# Altium PCB TimeKeeper.PcbDoc (part 1 of 2) (continued)
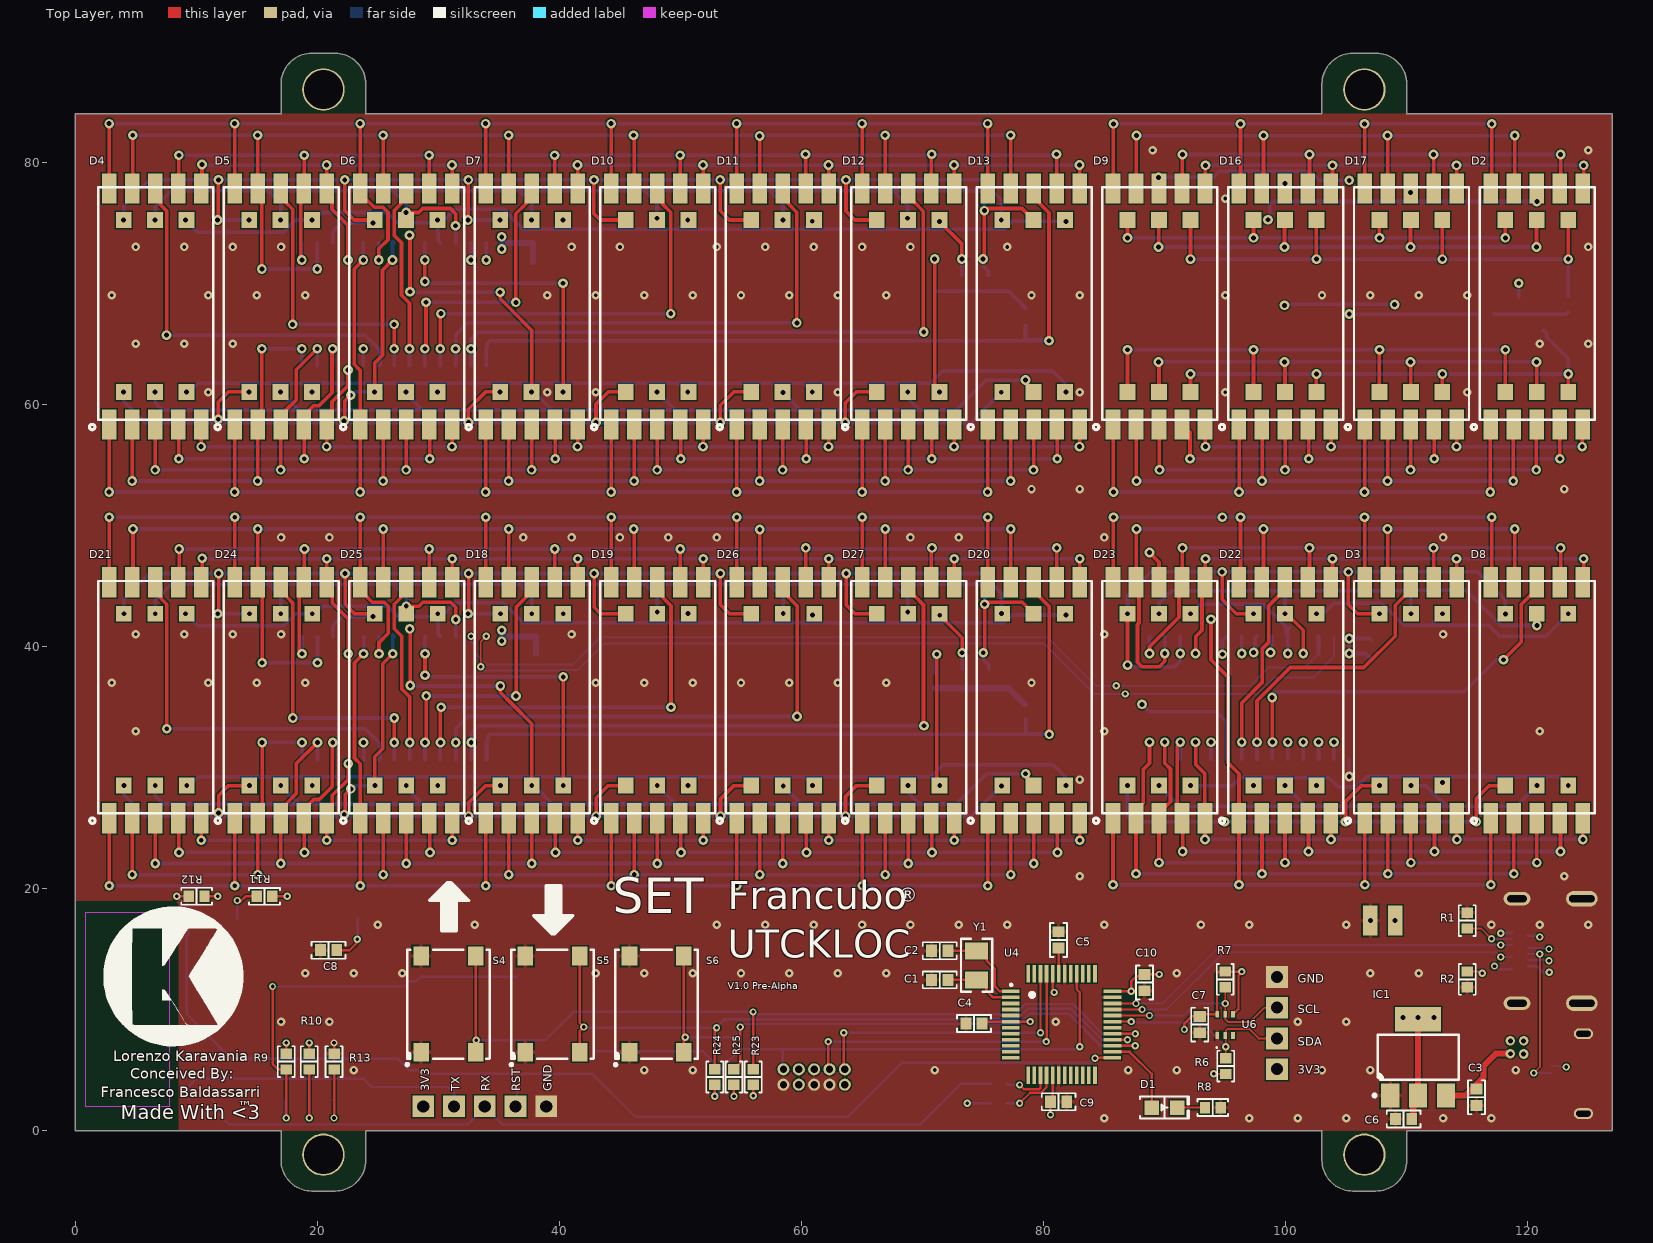
[diagram p0: Top Layer view]
## Footprints (in the part's own frame and the unit in brackets; to place one, negate y for a bottom-side part, rotate by r counter-clockwise, add the part's x,y. Pads: shape width x height; smd on the part's side, far side on the other; paste and mask are expansions set on the pad)
"14 Seg Display" [mm]
  rect 1.2x2.5 smd: 1(-3.8,-9.8) 2(-1.9,-9.8) 3(0,-9.8) 4(1.9,-9.8) 5(3.8,-9.8) 12(3.8,9.7) 13(1.9,9.7) 14(0,9.7) 15(-1.9,9.7) 16(-3.8,9.7)
  rect 1.3x1.3 smd: 6(2.6,-7.1) 7(0,-7.1) 8(-2.6,-7.1) 9(-2.6,7.1) 10(0,7.1) 11(2.6,7.1)
  silkscreen extent -5.42,-10.22 4.8,9.8, body extent -4.65,-9.5 4.65,9.5, height 3.8
"ABRACON ABS07" [mm] "Crystal, 2-Leads, Body 3.20x1.50mm, IPC Medium Density"
  rect 1.4x1.9 smd: 1(-1.2,0) 2(1.2,0)
  silkscreen extent -2.2,-1.3 2.2,1.3, body extent -1.62,-0.77 1.63,0.78, height 0.9
"CAP 0603_1608" [mm] "Chip Capacitor, 2-Leads, Body 1.60x0.80mm, IPC Medium Density"
  rect 0.9x1 smd: 1(-0.675,0) 2(0.675,0)
  silkscreen extent -1.4,-0.7 1.4,0.7, body extent -0.8,-0.41 0.8,0.41, height 0.82
"FCI USB 10118193-0001LF" [mm] "USB 2.0 Type B Micro"
  oval 0.4x1.35 smd: 1(1.3,-2.625) 2(0.65,-2.625) 3(0,-2.625) 4(-0.65,-2.625) 5(-1.3,-2.625)
  oval 0.9x1.6 hole 0.5 slot 1.2 at 90 deg: S(-3.3,0.05) S(3.3,0.05)
  rrect50% 1.6x1.4 smd: S(-3.2,-2.4) S(3.2,-2.4)
  rect 1.9x1.8 smd: S(-1.2,0.05) S(1.2,0.05)
  silkscreen extent -3.7,-2.8 3.7,2.8, body extent -3.93,-2.9 3.93,2.76, height 2.78
"Header 1x4 male" [mm] "2.54mm"
  rect 1.8x1.8 hole 1: 1(-5.08,0) 2(-2.54,0) 3(0,0) 4(2.54,0)
  body extent -6.35,-1.27 3.81,1.27, height 8.6
"Header 1x5 male" [mm] "2.54mm"
  rect 1.8x1.8 hole 1: 1(-5.08,0) 2(-2.54,0) 3(0,0) 4(2.54,0) 5(5.08,0)
  body extent -6.35,-1.27 6.35,1.27, height 8.6
"LED 0805_2012 GREEN" [mm] "Chip Diode, 2-Leads, Body 2.00x1.25mm, IPC Medium Density"
  rect 1.2x1.2 smd: 1(-1.05,0) 2(1.05,0)
  silkscreen extent -2.03,-0.9 2.03,0.9, body extent -1,-0.62 1,0.63, height 0.9
MOLEX_105450-0101 [mm]
  rect 0.3x0.7 smd: A1(-3,3.77) A2(-2.5,3.77) A3(-2,3.77) A4(-1.5,3.77) A5(-1,3.77) A6(-0.5,3.77) A7(0.5,3.77) A8(1,3.77) A9(1.5,3.77) A10(2,3.77) A11(2.5,3.77) A12(3,3.77) B2(2.25,2.47) B3(1.75,2.47) B4(1.25,2.47) B5(0.75,2.47) B6(0.25,2.47) B7(-0.25,2.47) B8(-0.75,2.47) B9(-1.25,2.47) B10(-1.75,2.47) B11(-2.25,2.47)
  rect 1x0.7 smd: B1(3.1,2.47) B12(-3.1,2.47)
  oval 1.1x2.2 hole 0.6 slot 1.6 at 90 deg: S1(-4.32,3.36) S2(4.32,3.36)
  oval 1.3x2.6 hole 0.6 slot 2.1 at 90 deg: S3(-4.32,-2) S4(4.32,-2)
  silkscreen extent -4.47,-3.77 4.47,1.9, body extent -4.47,-3.9 4.47,4, height 3.2
"OMRON B3S-1000P" [mm] "B3S-1000P, 4 Pins, 6.6x6.6x4.3mm, 4.5mm Pitch"
  rect 1.55x1.3 smd: 1(-3.984,2.207) 2(3.966,2.207) 3(-3.984,-2.293) 4(3.966,-2.293)
  silkscreen extent -5.1,-3.45 4.49,3.46, body extent -4.51,-3.34 4.49,3.26, height 4.3
QFP50P900X900X120-48N [mm]
  rect 1.45x0.3 smd: 1(-4.2,2.75) 2(-4.2,2.25) 3(-4.2,1.75) 4(-4.2,1.25) 5(-4.2,0.75) 6(-4.2,0.25) 7(-4.2,-0.25) 8(-4.2,-0.75) 9(-4.2,-1.25) 10(-4.2,-1.75) 11(-4.2,-2.25) 12(-4.2,-2.75) 25(4.17,-2.75) 26(4.2,-2.25) 27(4.2,-1.75) 28(4.2,-1.25) 29(4.2,-0.75) 30(4.2,-0.25) 31(4.2,0.25) 32(4.2,0.75) 33(4.2,1.25) 34(4.2,1.75) 35(4.2,2.25) 36(4.2,2.75)
  rect 0.3x1.45 smd: 13(-2.75,-4.2) 14(-2.25,-4.2) 15(-1.75,-4.2) 16(-1.25,-4.2) 17(-0.75,-4.2) 18(-0.25,-4.2) 19(0.25,-4.2) 20(0.75,-4.2) 21(1.25,-4.2) 22(1.75,-4.2) 23(2.25,-4.2) 24(2.75,-4.2) 37(2.75,4.2) 38(2.25,4.2) 39(1.75,4.2) 40(1.25,4.2) 41(0.75,4.2) 42(0.25,4.2) 43(-0.25,4.2) 44(-0.75,4.2) 45(-1.25,4.2) 46(-1.75,4.2) 47(-2.25,4.2) 48(-2.75,4.2)
  silkscreen extent -4.27,2.33 -2.32,3.38, body extent -4.5,-4.5 4.5,4.5, height 1.5
"RES 0603_1608" [mm] "Chip Resistor, 2-Leads, Body 1.60x0.80mm, IPC Medium Density"
  rect 0.85x0.95 smd: 1(-0.65,0) 2(0.65,0)
  silkscreen extent -1.27,-0.7 1.27,0.7, body extent -0.8,-0.4 0.8,0.4, height 0.45
SOD-523 [mm] "Molded Diode, 2-Leads, Body 1.60x0.80mm, IPC Medium Density"
  rect 0.6x0.7 smd: 1(-0.71,0) 2(0.71,0)
  silkscreen extent -1.27,-0.6 1.47,0.6, body extent -0.8,-0.4 0.8,0.4, height 0.82
SOP28_300MIL_SKINNY [mil]
  rect 25x70 smd: P$1(-325,-200) P$2(-275,-200) P$3(-225,-200) P$4(-175,-200) P$5(-125,-200) P$6(-75,-200) P$7(-25,-200) P$8(25,-200) P$9(75,-200) P$10(125,-200) P$11(175,-200) P$12(225,-200) P$13(275,-200) P$14(325,-200) P$15(325,200) P$16(275,200) P$17(225,200) P$18(175,200) P$19(125,200) P$20(75,200) P$21(25,200) P$22(-25,200) P$23(-75,200) P$24(-125,200) P$25(-175,200) P$26(-225,200) P$27(-275,200) P$28(-325,200)
  body extent -349,-201 349,201, height 110
"ST SOT-223" [mm] "SOT223, 4-Leads, Body 6.50x7.00mm (avg), Pitch 2.30mm, IPC Medium Density"
  rect 2x1.5 smd: 1(-3.15,2.3) 2(-3.15,0) 3(-3.15,-2.3)
  rect 2x3.8 smd: 4(3.15,0)
  silkscreen extent -3.27,-3.35 1.85,3.72, body extent -3.52,-3.25 3.5,3.25, height 1.8
VISHAY_VEML6030_2X2X0.87 [mm]
  rect 0.55x0.3 smd: 1(-0.875,0.65) 2(-0.875,0) 3(-0.875,-0.65) 4(0.875,-0.65) 5(0.875,0) 6(0.875,0.65)
  silkscreen extent -1.92,0.65 -1.82,0.75, body extent -1,-1 1,1, height 0.83
XCVR_ESP8266-12E/ESP-12E [mm]
  rect 2x1.2 smd: 1(-7.5,7) 2(-7.5,5) 3(-7.5,3) 4(-7.5,1) 5(-7.5,-1) 6(-7.5,-3) 7(-7.5,-5) 8(-7.5,-7) 15(7.5,-7) 16(7.5,-5) 17(7.5,-3) 18(7.5,-1) 19(7.5,1) 20(7.5,3) 21(7.5,5) 22(7.5,7)
  rect 1.1x1.7 smd: 9(-5,-8.5) 10(-3,-8.5) 11(-1,-8.5) 12(1,-8.5) 13(3,-8.5) 14(5,-8.5)
  Keep-Out Layer region: 8,8.51 -8.009,8.51 -8.009,15.5 8,15.5
  Keep-Out Layer region: 8,8.51 -8.009,8.51 -8.009,15.5 8,15.5
  silkscreen extent -9.5,-8.5 8,15.5, body extent -7.95,-8.51 8.06,15.49, height 2.65

## Part data
C1 C2: library part C0603X180J5GACTU, "CAP CER 18PF 50V C0G/NP0 0603", Device Package="0603 (1608 Metric)", Manufacturer=KEMET, Operating Temperature="-55°C ~ 125°C", Supplier Part Number 1=399-7390-1-ND, Temperature Coefficient="C0G, NP0", Tolerance=±5%, Voltage - Rated=50V, APPLICATIONS="Boardflex Sensitive", CAPACITANCE=18pF, ComponentLink1Description=Datasheet, ComponentLink1URL=https://api.kemet.com/component-edge/download/specsheet/C0603X180J5GACTU.pdf, ComponentLink2Description="DigiKey Link", ComponentLink2URL=http://digikey.com/product-detail/en/kemet/C0603X180J5GACTU/399-7390-1-ND/3317424, Features="Low ESL, Soft Termination", LastUpdated="21/01/2020 00:02:09", Lifecycle Status=Active, Minimum Order=1, Mounting Type="Surface Mount, MLCC", Package / Case="0603 (1608 Metric)", Packaging=TapeAndReel, PartId=2471, Part Number=C0603X180J5GACTU, Part Status=Active, Price=0.08, Series="SMD Comm C0G Flex", Size / Dimension="0.063\" L x 0.031\" W (1.60mm x 0.80mm)", Supplier 1=DigiKey, Thickness (Max)="0.034\" (0.87mm)"
C3 C4 C5 C6 C7 C8 C10 C11 C12 C13 C14 C15 C16: library part C0603T104K3RAL7867, "CAP CER 0.1UF 25V X7R 0603", Device Package="0603 (1608 Metric)", Manufacturer=KEMET, Operating Temperature="-55°C ~ 125°C", Ratings=COTS, Supplier Part Number 1=399-14540-1-ND, Temperature Coefficient=X7R, Tolerance=±10%, Voltage - Rated=25V, APPLICATIONS="High Reliability, Bypass, Decoupling", CAPACITANCE=0.1µF, ComponentLink1Description=Datasheet, ComponentLink1URL=https://api.kemet.com/component-edge/download/datasheet/C0603T104K3RAL7867.pdf, ComponentLink2Description="DigiKey Link", ComponentLink2URL=http://digikey.com/product-detail/en/kemet/C0603T104K3RAL7867/399-14540-1-ND/7103832, LastUpdated="21/01/2020 00:02:09", Lifecycle Status=Active, Minimum Order=1, Mounting Type="Surface Mount, MLCC", Package / Case="0603 (1608 Metric)", Packaging=TapeAndReel, PartId=2525, Part Number=C0603T104K3RAL7867, Part Status=Active, Price=0.23, Series="SMD COTS X7R", Size / Dimension="0.063\" L x 0.031\" W (1.60mm x 0.80mm)", Supplier 1=DigiKey, Thickness (Max)="0.034\" (0.87mm)"
C9: library part GRM188R60J106ME47D, "CAP CER 10UF 6.3V X5R 0603", Device Package="0603 (1608 Metric)", Manufacturer="Murata Electronics", Operating Temperature="-55°C ~ 85°C", Supplier Part Number 1=490-3896-1-ND, Temperature Coefficient=X5R, Tolerance=±20%, Voltage - Rated=6.3V, APPLICATIONS="General Purpose", CAPACITANCE=10µF, ComponentLink1Description=Datasheet, ComponentLink1URL=https://www.murata.com/~/media/webrenewal/support/library/catalog/products/capacitor/mlcc/c02e.ashx?la=en-us, ComponentLink2Description="DigiKey Link", ComponentLink2URL=http://digikey.com/product-detail/en/murata-electronics/GRM188R60J106ME47D/490-3896-1-ND/965938, LastUpdated="21/01/2020 00:02:09", Lifecycle Status=Active, Minimum Order=1, Mounting Type="Surface Mount, MLCC", Package / Case="0603 (1608 Metric)", Packaging=TapeAndReel, PartId=2351, Part Number=GRM188R60J106ME47D, Part Status=Active, Price=0.08, Series=GRM, Size / Dimension="0.063\" L x 0.031\" W (1.60mm x 0.80mm)", Supplier 1=DigiKey, Thickness (Max)="0.035\" (0.90mm)"
D1: library part SML-LX0805UPGC-TR, "LED GREEN CLEAR SMD", Current - Test=20mA, Device Package="0805 (2012 Metric)", Lens Color=Colorless, Manufacturer="Lumex Opto/Components Inc.", Millicandela Rating=199mcd, Supplier Part Number 1=67-1640-1-ND, Voltage - Forward (Vf) (Typ)=3.5V, Color=Green, ComponentLink1Description=Datasheet, ComponentLink1URL=https://www.lumex.com/content/files/ProductAttachment/SML-LX0805UPGC-TR.pdf, ComponentLink2Description="DigiKey Link", ComponentLink2URL=http://digikey.com/product-detail/en/lumex-opto-components-inc/SML-LX0805UPGC-TR/67-1640-1-ND/408129, Configuration=Standard, LastUpdated="21/01/2020 03:14:04", Lens Size="1.40mm x 1.25mm", Lens Style="Rectangle with Flat Top", Lens Transparency=Clear, Lifecycle Status=Active, Minimum Order=1, Mounting Type="Surface Mount", Package / Case="0805 (2012 Metric)", Packaging=TapeAndReel, PartId=304, Part Number=SML-LX0805UPGC-TR, Part Status=Active, Price=0.69, Series=-, Size / Dimension="2.00mm L x 1.25mm W", Supplier 1=DigiKey, Viewing Angle=140°, Wavelength - Peak=518nm
D2 D3 D4 D5 D6 D7 D8 D9 D10 D11 D12 D13 D16 D17 D18 D19 D20 D21 D22 D23 D24 D25 D26 D27: "14 Segment display red 2 char"
D14 D15 D28: "DIODE GEN PURP 75V 150MA SOD523", Capacitance @ Vr, F="2pF @ 0V, 1MHz", Current - Average Rectified (Io)=150mA, Current - Reverse Leakage @ Vr="1µA @ 75V", Device Package="SC-79, SOD-523", Manufacturer="Micro Commercial Co", Operating Temperature - Junction="-65°C ~ 150°C", Supplier Device Package=SOD-523, Supplier Part Number 1=1N4148XTPMSCT-ND, Voltage - DC Reverse (Vr) (Max)=75V, Voltage - Forward (Vf) (Max) @ If="1.25V @ 150mA", ComponentLink1Description=Datasheet, ComponentLink1URL=https://www.mccsemi.com/pdf/Products/1N4148X(SOD-523).PDF, ComponentLink2Description="DigiKey Link", ComponentLink2URL=http://digikey.com/product-detail/en/micro-commercial-co/1N4148X-TP/1N4148XTPMSCT-ND/789335, Diode Type=Standard, LastUpdated="21/01/2020 03:36:43", Lifecycle Status=Active, Minimum Order=1, Mounting Type="Surface Mount", Package / Case="SC-79, SOD-523", Packaging=TapeAndReel, PartId=2733, Part Number=1N4148X-TP, Part Status=Active, Price=0.02, Reverse Recovery Time (trr)=4ns, Series=-, Speed="Small Signal =< 200mA (Io), Any Speed", Supplier 1=DigiKey
IC1: "IC REG LINEAR 3.3V 800MA SOT223", Current - Output=800mA, Current - Quiescent (Iq)=10mA, Device Package="TO-261-4, TO-261AA", Manufacturer=STMicroelectronics, Operating Temperature="0°C ~ 125°C", Supplier Device Package=SOT-223, Supplier Part Number 1=497-1242-1-ND, Voltage - Input (Max)=15V, Voltage - Output (Min/Fixed)=3.3V, Voltage Dropout (Max)="1.2V @ 800mA", ComponentLink1Description=Datasheet, ComponentLink1URL=http://www.st.com/content/ccc/resource/technical/document/datasheet/99/3b/7d/91/91/51/4b/be/CD00000544.pdf/files/CD00000544.pdf/jcr:content/translations/en.CD00000544.pdf, ComponentLink2Description="DigiKey Link", ComponentLink2URL=http://digikey.com/product-detail/en/stmicroelectronics/LD1117S33TR/497-1242-1-ND/586242, LastUpdated="21/01/2020 03:56:43", Lifecycle Status=Active, Minimum Order=1, Mounting Type="Surface Mount", Number of Regulators=1, Output Configuration=Positive, Output Type=Fixed, Package / Case="TO-261-4, TO-261AA", Packaging=TapeAndReel, Part Number=LD1117S33TR, Part Status=Active, Price=0.14, Protection Features="Over Current, Over Temperature", PSRR="75dB (120Hz)", Series=-, Supplier 1=DigiKey
J1: "CONN RCPT USB2.0 MICRO B SMD R/A", Current Rating (Amps)="1.8A per Contact", Manufacturer="Amphenol ICC (FCI)", Operating Temperature="-30°C ~ 80°C", Supplier Part Number 1=609-4616-2-ND, Voltage - Rated=100VAC, ComponentLink1Description=Datasheet, ComponentLink1URL=https://cdn.amphenol-icc.com/media/wysiwyg/files/documentation/datasheet/inputoutput/io_usb_micro.pdf, ComponentLink2Description="DigiKey Link", ComponentLink2URL=//digikey.com/product-detail/en/amphenol-icc-fci/10118193-0001LF/609-4616-2-ND/2785388, Connector Type="USB - micro B", Features="Solder Retention", Gender=Receptacle, LastUpdated="09/12/2019 20:51:28", Lifecycle Status=0, Mating Cycles=10000, Minimum Order=1, Mounting Feature=Horizontal, Mounting Type="Surface Mount, Right Angle; Through Hole", Number of Contacts=5, Number of Ports=1, Packaging=TapeAndReel, Part Number=10118193-0001LF, Part Status=Active, Price=0.21, Series=-, Shielding=Shielded, Specifications="USB 2.0", Supplier 1=DigiKey, Termination=Solder
J2: "USB-C _USB TYPE-C_ USB 3.1 _USB 3.1 Gen 2, Superspeed+_ Receptacle Connector 24 Position Surface Mount, Right Angle; Through Hole", Package=None, Digi-Key_Part_Number=WM12856CT-ND, Digi-Key_Purchase_URL=https://www.digikey.tw/product-detail/en/molex/1054500101/WM12856CT-ND/5843891?utm_source=snapeda&utm_medium=aggregator&utm_campaign=symbol, MF=Molex, MP=1054500101, SnapEDA_Link=https://www.snapeda.com/parts/1054500101/Molex/view-part/448528/?ref=snap
R1 R2 R6 R7: library part AC0603JR-075K1L, "RES SMD 5.1K OHM 5% 1/10W 0603", Device Package="0603 (1608 Metric)", Manufacturer=Yageo, Operating Temperature="-55°C ~ 155°C", Power (Watts)="0.1W, 1/10W", Ratings=AEC-Q200, Supplier Device Package=0603, Supplier Part Number 1=YAG3682CT-ND, Temperature Coefficient=±100ppm/°C, Tolerance=±5%, ComponentLink1Description=Datasheet, ComponentLink1URL=https://www.yageo.com/upload/media/product/productsearch/datasheet/rchip/PYu-AC_51_RoHS_L_7.pdf, ComponentLink2Description="DigiKey Link", ComponentLink2URL=http://digikey.com/product-detail/en/yageo/AC0603JR-075K1L/YAG3682CT-ND/6006531, Composition="Thick Film", Features="Automotive AEC-Q200, Moisture Resistant", Height - Seated (Max)="0.022\" (0.55mm)", LastUpdated="21/01/2020 00:23:35", Lifecycle Status=Active, Minimum Order=1, Number of Terminations=2, Package / Case="0603 (1608 Metric)", Packaging=CutTape, PartId=8336, Part Number=AC0603JR-075K1L, Part Status=Active, Price=0.10, Resistance="5.1 kOhms", Series=AC, Size / Dimension="0.063\" L x 0.031\" W (1.60mm x 0.80mm)", Supplier 1=DigiKey
R3 R9 R10 R11 R12 R13 R23 R24 R25: library part CPF0603B10KE, "RES SMD 10K OHM 0.1% 1/16W 0603", Device Package="0603 (1608 Metric)", Manufacturer="TE Connectivity Passive Product", Operating Temperature="-55°C ~ 155°C", Power (Watts)="0.063W, 1/16W", Supplier Device Package=0603, Supplier Part Number 1=A119886CT-ND, Temperature Coefficient=±25ppm/°C, Tolerance=±0.1%, ComponentLink1Description=Datasheet, ComponentLink1URL=https://www.te.com/commerce/DocumentDelivery/DDEController?Action=srchrtrv&DocNm=1773200&DocType=DS&DocLang=English, ComponentLink2Description="DigiKey Link", ComponentLink2URL=http://digikey.com/product-detail/en/te-connectivity-passive-product/CPF0603B10KE/A119886CT-ND/4966484, Composition="Thin Film", Height - Seated (Max)="0.022\" (0.55mm)", LastUpdated="21/01/2020 00:24:55", Lifecycle Status=Active, Minimum Order=1, Number of Terminations=2, Package / Case="0603 (1608 Metric)", Packaging=TapeAndReel, PartId=4872, Part Number=CPF0603B10KE, Part Status=Active, Price=0.09, Resistance="10 kOhms", Series="CPF, Neohm", Size / Dimension="0.061\" L x 0.031\" W (1.55mm x 0.80mm)", Supplier 1=DigiKey
R4 R5: library part HCJ0603ZT0R00, "RES 0 OHM JUMPER 1/4W 0603", Device Package="0603 (1608 Metric)", Manufacturer="Stackpole Electronics Inc", Operating Temperature="-55°C ~ 155°C", Power (Watts)="0.25W, 1/4W", Ratings=AEC-Q200, Resistance="0 Ohms", Supplier Device Package=0603, Supplier Part Number 1=HCJ0603ZT0R00CT-ND, Tolerance=Jumper, ComponentLink1Description=Datasheet, ComponentLink1URL=https://www.seielect.com/catalog/sei-hcj.pdf, ComponentLink2Description="DigiKey Link", ComponentLink2URL=http://digikey.com/product-detail/en/stackpole-electronics-inc/HCJ0603ZT0R00/HCJ0603ZT0R00CT-ND/4357665, Composition="Metal Foil", Features="Automotive AEC-Q200", Height - Seated (Max)="0.018\" (0.45mm)", LastUpdated="21/01/2020 00:22:48", Lifecycle Status=Active, Minimum Order=1, Number of Terminations=2, Package / Case="0603 (1608 Metric)", Packaging=TapeAndReel, PartId=10189, Part Number=HCJ0603ZT0R00, Part Status=Active, Price=0.07, Series=HCJ, Size / Dimension="0.061\" L x 0.031\" W (1.55mm x 0.80mm)", Supplier 1=DigiKey
R8: library part CR0603-FX-1001ELF, "RES SMD 1K OHM 1% 1/10W 0603", Device Package="0603 (1608 Metric)", Manufacturer="Bourns Inc.", Operating Temperature="-55°C ~ 155°C", Power (Watts)="0.1W, 1/10W", Supplier Device Package=0603, Supplier Part Number 1=CR0603-FX-1001ELFCT-ND, Temperature Coefficient=±100ppm/°C, Tolerance=±1%, ComponentLink1Description=Datasheet, ComponentLink1URL=https://www.bourns.com/docs/Product-Datasheets/CHPREZTR.pdf, ComponentLink2Description="DigiKey Link", ComponentLink2URL=http://digikey.com/product-detail/en/bourns-inc/CR0603-FX-1001ELF/CR0603-FX-1001ELFCT-ND/3592910, Composition="Thick Film", Features="Moisture Resistant", Height - Seated (Max)="0.022\" (0.55mm)", LastUpdated="21/01/2020 00:19:55", Lifecycle Status=Active, Minimum Order=1, Number of Terminations=2, Package / Case="0603 (1608 Metric)", Packaging=CutTape, PartId=17323, Part Number=CR0603-FX-1001ELF, Part Status=Active, Price=0.10, Resistance="1 kOhms", Series=CR0603, Size / Dimension="0.063\" L x 0.031\" W (1.60mm x 0.80mm)", Supplier 1=DigiKey
R14 R15 R16 R17 R18 R19 R20 R21 R22: library part ERA-3AEB473V, "RES SMD 47K OHM 0.1% 1/10W 0603", Device Package="0603 (1608 Metric)", Manufacturer="Panasonic Electronic Components", Operating Temperature="-55°C ~ 155°C", Power (Watts)="0.1W, 1/10W", Ratings=AEC-Q200, Supplier Device Package=0603, Supplier Part Number 1=P47KDBCT-ND, Temperature Coefficient=±25ppm/°C, Tolerance=±0.1%, ComponentLink1Description=Datasheet, ComponentLink1URL=https://industrial.panasonic.com/cdbs/www-data/pdf/RDM0000/AOA0000C307.pdf, ComponentLink2Description="DigiKey Link", ComponentLink2URL=http://digikey.com/product-detail/en/panasonic-electronic-components/ERA-3AEB473V/P47KDBCT-ND/1466092, Composition="Thin Film", Features="Automotive AEC-Q200", Height - Seated (Max)="0.022\" (0.55mm)", LastUpdated="21/01/2020 00:24:44", Lifecycle Status=Active, Minimum Order=1, Number of Terminations=2, Package / Case="0603 (1608 Metric)", Packaging=TapeAndReel, PartId=5512, Part Number=ERA-3AEB473V, Part Status=Active, Price=0.04, Resistance="47 kOhms", Series=ERA-3A, Size / Dimension="0.063\" L x 0.031\" W (1.60mm x 0.80mm)", Supplier 1=DigiKey
S1 S2 S3 S4 S5 S6: "SWITCH TACTILE SPST-NO 0.05A 24V", Contact Rating @ Voltage="0.05A @ 24VDC", Manufacturer="Omron Electronics Inc-EMC Div", Operating Force=160gf, Operating Temperature="-25°C ~ 70°C", Supplier Part Number 1=SW836CT-ND, Actuator Height off PCB, Vertical=4.30mm, Actuator Orientation="Top Actuated", Actuator Type=Standard, Circuit=SPST-NO, ComponentLink1Description=Datasheet, ComponentLink1URL=https://omronfs.omron.com/en_US/ecb/products/pdf/en-b3s.pdf, ComponentLink2Description="DigiKey Link", ComponentLink2URL=http://digikey.com/product-detail/en/omron-electronics-inc-emc-div/B3S-1000P/SW836CT-ND/700012, Features="Sealed - Fully", Illumination=Non-Illuminated, Ingress Protection="IP67 - Dust Tight, Waterproof", LastUpdated="31/01/2020 01:36:13", Lifecycle Status=Active, Minimum Order=1, Mounting Type="Surface Mount", Outline="6.60mm x 6.00mm", Packaging=TapeAndReel, Part Number=B3S-1000P, Part Status=Active, Price=0.39, Series=B3S, Supplier 1=DigiKey, Switch Function=Off-Mom, Termination Style="Gull Wing"
U4: "ARMÂ® CortexÂ®-M0+ Automotive, AEC-Q100, SAM D21G Microcontroller IC 32-Bit 48MHz 256KB _256K x 8_ FLASH 48-TQFP _7x7_", Package="TQFP-48 Microchip", Availability=Unavailable, MF=Microchip, MP=ATSAMD21G18A-AF, Price=None, SnapEDA_Link=https://www.snapeda.com/parts/ATSAMD21G18A-AF/Microchip/view-part/1216117/?ref=snap
U5: "This WiFi module has a 32-bit MCU micro and clock speeds supporting 80 MHz or 160 MHz. Supports the RTOS and integrated Wi-Fi MAC/BB/RF/PA/LNA, and has an on-board antenna.", Package=None, Availability=Unavailable, MF=AI-Thinker, MP=ESP8266-12E/ESP-12E, Price=None, SnapEDA_Link=https://www.snapeda.com/parts/ESP8266-12E/ESP-12E/AI-Thinker/view-part/106414/?ref=snap
U6: "Optical Sensor Ambient 550nm IÂ²C 6-SMD, No Lead", Package="SMD-6 Vishay", Availability=Unavailable, MF=Vishay, MP=VEML6030, Price=None, SnapEDA_Link=https://www.snapeda.com/parts/VEML6030/Vishay%20Semiconductor%20Opto%20Division/view-part/493148/?ref=snap
Y1: library part ABS07-32.768KHZ-T, "CRYSTAL 32.7680KHZ 12.5PF SMD", Device Package="2-SMD, No Lead", ESR (Equivalent Series Resistance)="70 kOhms", Frequency Tolerance=±20ppm, Load Capacitance=12.5pF, Manufacturer="Abracon LLC", Operating Mode=Fundamental, Operating Temperature="-40°C ~ 85°C", Supplier Part Number 1=535-9542-1-ND, ComponentLink1Description=Datasheet, ComponentLink1URL=https://abracon.com/Resonators/ABS07.pdf, ComponentLink2Description="DigiKey Link", ComponentLink2URL=http://digikey.com/product-detail/en/abracon-llc/ABS07-32.768KHZ-T/535-9542-1-ND/1237009, Frequency=32.768kHz, Height - Seated (Max)="0.035\" (0.90mm)", LastUpdated="21/01/2020 03:21:15", Lifecycle Status=Active, Minimum Order=1, Mounting Type="Surface Mount", Package / Case="2-SMD, No Lead", Packaging=TapeAndReel, PartId=382, Part Number=ABS07-32.768KHZ-T, Part Status=Active, Price=0.32, Series=ABS07, Size / Dimension="0.126\" L x 0.059\" W (3.20mm x 1.50mm)", Supplier 1=DigiKey, Type="kHz Crystal (Tuning Fork)"
U1 U2 U3: 4.5-5.5V=4.5-5.5V, 16StepDimming="16 Step Dimming", DeviceName=_SKINNY, DeviceSetName=HT16K33_SOP28, GateName_1=G$1, HT16K33LEDDriver="HT16K33 LED Driver", LibraryName=microbuilder, SymbolName_1=HT16K33_28PIN, VDD=VDD:

## Free pads (board coordinates)
  round 1 hole 0.6: 1(63.582,3.786) 2(63.582,5.056) 3(62.312,3.786) 4(62.312,5.056) 5(61.042,3.786) 6(61.042,5.056) 7(59.772,3.786) 8(59.772,5.056) 9(58.502,3.786) 10(58.502,5.056)
  rect 1.2x2.5 smd: 5V(109.045,17.35) GND(107,17.35)
  round 3.5 hole 3.2: ""(20.5,-2) ""(20.5,86) ""(106.5,-2) ""(106.5,86)

## Via types
v1: diameter 0.8, hole 0.4, Top Layer to Bottom Layer, 517 vias
v2: diameter 0.7, hole 0.3, Top Layer to Bottom Layer, tented both sides, 135 vias
v3: diameter 0.6, hole 0.3, Top Layer to Bottom Layer, 65 vias

## Nets (pads, with @x,y where several pads share a name; then routed paths per layer and width w, separated by ;. In a path a pad name is that pad's centre, name@x,y a point inside that pad or via, vN(x,y) a via of type N, cw(c..) or ccw(c..) an arc to the next point about the centre after c; other vN are vias at no path point)
3V3: C4.2 C6.2 C7.2 C8.2 C9.2 C10.2 ESP_PROG.5 I2C.4 IC1.2 IC1.4 pad.1 R3.2 R6.2 R7.2 R9.2 R10.2 R11.2 R12.2 R23.1 R24.1 R25.1 U4.6 U4.17 U4.36 U4.44 U5.8 U6.4 U6.6 | length 48.6
  Top Layer w0.2: R12.2@10.834,19.513 R12.2@10.676,19.356 11.762,19.356 v3(11.768,19.35) ; R11.2@16.282,19.35 17.498,19.35 v3(17.504,19.356) ; R9.2@17.432,6.341 v3(17.432,7.241) ; R10.2@19.332,6.341 v3(19.332,7.241) ; C8.2@21.6,14.9 22.654,14.9 23.223,15.47 23.223,15.723 v3(23.3,15.8) ; v3(52.834,2.839) R24.1@52.834,3.771 ; v3(54.418,2.839) R25.1@54.418,3.771 ; v3(56.01,2.875) R23.1@56.01,3.771 ; C4.2@74.925,8.85 75.075,9 U4.6@77.291,9 v3(78.891,9) ; C9.2@80.216,2.375 80.741,2.9 U4.17@80.741,4.55 ; v3(80.566,1.3) C9.2@80.566,2.375 ; U4.44@80.741,12.95 80.741,11.56 v3(80.89,11.411) ; U4.36@85.691,11.5 v3(87.25,11.5) 87.25,12.349 87.651,12.75 88.183,12.75 C10.2@88.334,12.9 v3(89.553,12.9) ; v3(91.634,8.35) 91.634,8.85 92.209,9.425 C7.2@92.902,9.425 93.077,9.6 U6.6@94.35,9.6 94.323,9.627 94.323,12.969 94.459,13.104 94.972,13.104 R7.2@95,13.133 v3(96.365,13.133) 96.365,13.081 96.1,12.816 96.1,10.05 95.825,9.775 95.7,9.775 95.65,9.725 U6.4@95.65,9.6 ; v3(94.054,4.696) 94.08,4.67 R6.2@95.052,4.67
  Top Layer w0.5: C6.2@110.42,0.95 110.541,1.071 110.541,2.496 IC1.2@110.945,2.9 IC1.4@110.945,9.2
  Bottom Layer w0.2: v3(23.3,15.8) 23.329,15.829 U5.8@23.329,17.5 ; v3(52.834,2.839) 53.158,3.163 53.158,3.62 R3.2@53.309,3.771
  other v1: 109.695,9.325 112.245,9.325 110.945,9.35
5V+: C3.2 C11.2 C12.2 C13.2 C14.2 C15.2 C16.2 IC1.3 J1.1 J2.A4 J2.A9 J2.B4 J2.B9 pad.5V U1.P$28 U2.P$28 U3.P$28 | length 26.7
  Top Layer w0.5: IC1.3@113.245,2.9 114.865,2.9 116.355,4.39 116.355,5.355 117.35,6.35 v1(118.56,6.35)
  Bottom Layer w0.2: v3(117.25,13.585) 117.35,13.585 117.6,13.335 J2.A9@118.7,13.335 ; v3(117.766,16.308) 117.792,16.335 J2.A4@118.7,16.335 ; J2.B4@120,13.585 120.766,13.585 121.266,13.085 v3(121.775,13.085) ; J2.B9@120,16.085 120.887,16.085 v3(120.987,15.985)
  Bottom Layer w0.3: U1.P$28@105.255,40.83 v1(105.255,40.646) ; C11.2@107.07,40.506 106.929,40.646 v1(105.255,40.646) ; C12.2@107.095,38.89 107.095,38.94 106.795,39.24 106.745,39.24 106.571,39.414 v1(105.255,39.414) v1(105.255,40.646)
  Bottom Layer w0.5: U3.P$28@35.23,40.832 C15.2@38.075,40.832 C16.2@38.075,39.394 ; U2.P$28@35.23,73.332 C13.2@37.825,73.332 C14.2@37.825,71.75
  other v1: 119.66,6.33 118.56,7.41 119.66,7.41 109.045,17.35 35.23,40.434 35.23,41.332 35.23,72.832 35.23,73.832
A1: D4.10 D5.10 D6.10 D7.10 D10.10 D11.10 D12.10 D13.10 R19.1 U2.P$25 | length 104.5
  Top Layer w0.3: v1(27.332,75.848) 28.373,75.848 28.697,76.172 30.993,76.172 31.42,75.745 v1(31.42,74.748) ; v1(75,72) 75.108,72.108 v1(75.108,75.999) ; v1@75.417,76.172 78.223,76.172 D13.10@79.173,75.222
  Bottom Layer w0.3: v1(6.595,75.222) 6.595,76.32 7.925,77.65 15.928,77.65 ; v1(16.963,75.222) 16.963,76.615 15.928,77.65 ; v1(27.332,75.848) 27.332,76.576 26.257,77.65 ; U2.P$25@31.42,73.332 v1(31.42,74.748) ; v1(37.7,75.222) 37.7,76.601 36.651,77.65 ; v1(48.057,75.364) 48.057,76.634 47.041,77.65 ; v1(58.471,75.237) 58.471,76.507 57.328,77.65 ; v1(68.758,75.364) 68.758,76.465 67.573,77.65 ; v1(75,72) 75,71.425 75.45,70.975 75.45,70.65 R19.1@75.5,70.65 ; v1(75.108,75.999) 75.108,77.269 74.727,77.65 67.573,77.65 ; 15.928,77.65 26.257,77.65 ; 26.257,77.65 36.651,77.65 ; 36.651,77.65 47.041,77.65 ; 47.041,77.65 57.328,77.65 ; 57.328,77.65 67.573,77.65
A3: D18.10 D19.10 D20.10 D21.10 D24.10 D25.10 D26.10 D27.10 R22.1 U3.P$25 | length 104.5
  Top Layer w0.3: v1(27.35,43.326) 28.391,43.326 28.715,43.65 31.011,43.65 31.438,43.223 v1(31.438,42.226) ; v1(75.018,39.478) 75.126,39.586 v1(75.126,43.477) ; v1@75.435,43.65 78.241,43.65 D20.10@79.191,42.7
  Bottom Layer w0.3: v1(6.613,42.7) 6.613,43.798 7.943,45.128 15.947,45.128 ; v1(16.982,42.7) 16.982,44.093 15.947,45.128 ; v1(27.35,43.326) 27.35,44.053 26.276,45.128 ; U3.P$25@31.438,40.81 v1(31.438,42.226) ; v1(37.718,42.7) 37.718,44.079 36.669,45.128 ; v1(48.075,42.842) 48.075,44.112 47.059,45.128 ; v1(58.489,42.715) 58.489,43.985 57.346,45.128 ; v1(68.776,42.842) 68.776,43.943 67.591,45.128 ; v1(75.018,39.478) 75.018,38.903 75.468,38.453 75.468,38.128 R22.1@75.518,38.128 ; v1(75.126,43.477) 75.126,44.747 74.745,45.128 67.591,45.128 ; 15.947,45.128 26.276,45.128 ; 26.276,45.128 36.669,45.128 ; 36.669,45.128 47.059,45.128 ; 47.059,45.128 57.346,45.128 ; 57.346,45.128 67.591,45.128
A5: D2.10 D3.10 D8.10 D9.10 D16.10 D17.10 D22.10 D23.10 R18.1 U1.P$25 | length 120
  Top Layer w0.3: v1(89.5,73) 89.5,75.189 D9.10@89.534,75.222 ; v1(99.905,73) D16.10@99.905,75.189 ; v1(99.939,42.7) 100.439,42.2 100.586,42.2 101.445,41.341 v1(101.445,39.414) ; v1(110.311,73) D17.10@110.311,75.189 ; v1(120.716,73) D2.10@120.716,75.189 ; v1(120.75,41.719) D8.10@120.75,42.7
  Layer 2 w0.3: v1(89.5,73) 90.5,72 90.5,53.705 89.534,52.739 v1(89.534,42.7) ; v1(119.25,70) 119.25,71.534 v1(120.716,73)
  Bottom Layer w0.3: v1(89.5,73) v1(99.905,73) v1(110.311,73) v1(120.716,73) v1@120.816,73.1 ; v1(89.534,42.7) 89.534,43.563 90.575,44.604 99.893,44.604 ; v1(99.939,42.7) 99.939,44.558 99.893,44.604 ; v1(101.445,39.414) 101.445,39.771 U1.P$25@101.445,40.83 ; v1(110.345,42.7) 110.345,44.462 110.172,44.635 ; R18.1@119.25,68.9 v1(119.25,70) ; v1(120.75,41.719) 117.781,41.719 114.865,44.635 110.172,44.635 ; 99.893,44.604 109.891,44.604 109.922,44.635 110.172,44.635
B1: D4.11 D5.11 D6.11 D7.11 D10.11 D11.11 D12.11 D13.11 R17.1 U2.P$24 | length 86.5
  Top Layer w0.3: v1(71.405,75.09) 73.25,73.245 v1(73.25,72)
  Bottom Layer w0.3: v1(9.095,75.222) 10.096,74.221 17.196,74.221 18.197,75.222 v1(19.563,75.222) 19.699,75.222 20.325,75.848 25.786,75.848 26.652,74.983 29.692,74.983 v1(29.932,75.222) ; U2.P$24@30.15,73.332 29.983,73.499 29.983,74.196 29.932,74.247 v1(29.932,75.222) ; v1(40.3,75.222) 39.553,74.475 ; 49.962,74.602 v1(50.597,75.237) ; v1(60.884,75.119) 60.24,74.475 ; v1(71.405,75.09) 70.79,74.475 ; R17.1@73.25,70.65 v1(73.25,72) ; v1(81.839,75.11) 77.368,75.11 76.733,74.475 70.79,74.475 ; v1(29.932,75.222) 29.96,75.251 30.505,75.251 31.38,76.126 35.342,76.126 36.993,74.475 39.553,74.475 ; 39.553,74.475 60.24,74.475 ; 60.24,74.475 70.79,74.475
B3: D18.11 D19.11 D20.11 D21.11 D24.11 D25.11 D26.11 D27.11 R21.1 U3.P$24 | length 86.5
  Top Layer w0.3: v1(71.423,42.567) 73.268,40.722 v1(73.268,39.478)
  Bottom Layer w0.3: v1(9.113,42.7) 10.115,41.699 17.214,41.699 18.216,42.7 v1(19.582,42.7) 19.717,42.7 20.343,43.326 25.805,43.326 26.67,42.461 29.711,42.461 v1(29.95,42.7) ; U3.P$24@30.168,40.81 30.001,40.977 30.001,41.673 29.95,41.724 v1(29.95,42.7) ; v1(40.318,42.7) 39.571,41.953 ; 49.98,42.08 v1(50.615,42.715) ; v1(60.902,42.597) 60.258,41.953 ; v1(71.423,42.567) 70.808,41.953 ; R21.1@73.268,38.128 v1(73.268,39.478) ; v1(81.857,42.588) 77.386,42.588 76.751,41.953 70.808,41.953 ; v1(29.95,42.7) 29.979,42.729 30.523,42.729 31.398,43.604 35.361,43.604 37.012,41.953 39.571,41.953 ; 39.571,41.953 60.258,41.953 ; 60.258,41.953 70.808,41.953
B5: D2.11 D3.11 D8.11 D9.11 D16.11 D17.11 D22.11 D23.11 R16.1 U1.P$24 | length 119.1
  Top Layer w0.3: v1@92.017,71.75 v1@92.134,71.866 ; v1@92.134,71.75 v1@92.134,71.866 ; D9.11@92.134,75.222 v1(92.134,71.993) v1@92.134,71.866 ; v1(102.539,71.993) D16.11@102.539,75.222 ; v1(112.945,71.993) D17.11@112.945,75.222 ; v1@123.234,71.75 v1@123.35,71.866 ; v1@123.35,71.75 v1@123.35,71.866 ; D2.11@123.35,75.222 v1(123.35,71.993) v1@123.35,71.866
  Layer 2 w0.3: v1(92.134,42.7) 92.494,43.06 92.494,54.905 92.799,55.21 92.799,56.079 92.668,56.21 92.668,58.9 93.25,59.482 93.25,65 92.134,66.116 v1(92.134,71.993) ; v1(100.175,39.414) 100.175,40.336 v1(102.539,42.7)
  Bottom Layer w0.3: v1(92.134,42.7) 92.91,43.477 98.173,43.477 100.008,41.642 100.008,40.997 U1.P$24@100.175,40.83 ; v1(92.134,71.993) v1(102.539,71.993) v1(112.945,71.993) v1(123.35,71.993) R16.1@123.35,68.9 ; v1(100.175,39.414) U1.P$24@100.175,40.83 ; U1.P$24@100.343,41.569 100.175,41.401 U1.P$24@100.175,40.83 ; v1(102.539,42.7) 102.564,42.725 103.116,42.725 103.955,43.563 107.937,43.563 109.75,41.75 111.995,41.75 ; v1(112.945,42.7) 111.995,41.75 ; v1(123.35,42.7) 121.48,40.83 117.713,40.83 116.793,41.75 111.995,41.75
C1: D4.6 D5.6 D6.6 D7.6 D10.6 D11.6 D12.6 D13.6 R15.1 U2.P$23 | length 116.8
  Top Layer w0.3: v1(28.88,70.142) v1(28.88,71.916) ; v1(40.3,61.022) v1(40.3,70) ; v1(71,72) 71,61.427 v1(71.405,61.022)
  Bottom Layer w0.3: v1(9.195,61.022) 9.33,61.022 9.52,61.212 9.607,61.212 10.145,61.75 18.836,61.75 ; v1(19.563,61.022) 18.836,61.75 ; v1(28.88,70.142) 29.022,70 v1(40.3,70) ; v1(28.88,71.916) U2.P$23@28.88,73.332 ; v1(29.932,61.022) 29.204,61.75 ; v1(40.3,61.022) 39.572,61.75 ; v1(50.597,61.022) 49.869,61.75 ; v1(60.884,61.022) 60.156,61.75 ; R15.1@71,70.65 v1(71,72) ; v1(71.405,61.022) 70.677,61.75 ; v1(81.839,61.022) 81.839,61.661 80.75,62.75 71.677,62.75 70.677,61.75 ; 18.836,61.75 29.204,61.75 ; 29.204,61.75 39.572,61.75 ; 39.572,61.75 49.869,61.75 ; 49.869,61.75 60.156,61.75 ; 60.156,61.75 70.677,61.75
C3: D18.6 D19.6 D20.6 D21.6 D24.6 D25.6 D26.6 D27.6 R20.1 U3.P$23 | length 116.5
  Top Layer w0.3: v1(28.898,37.62) v1(28.898,39.394) ; v1(40.318,28.5) v1(40.318,37.478) ; v1(71.176,39.346) 71.176,28.748 v1(71.423,28.5)
  Bottom Layer w0.3: v1(9.213,28.5) 9.349,28.5 9.538,28.69 9.626,28.69 10.163,29.228 18.854,29.228 ; v1(19.582,28.5) 18.854,29.228 ; v1(28.898,37.62) 29.041,37.478 v1(40.318,37.478) ; v1(28.898,39.394) U3.P$23@28.898,40.81 ; v1(29.95,28.5) 29.222,29.228 ; v1(40.318,28.5) 39.591,29.228 ; v1(50.615,28.5) 49.888,29.228 ; v1(60.902,28.5) 60.175,29.228 ; R20.1@71.018,37.842 v1@71.018,39.074 ; v1(71.423,28.5) 70.696,29.228 ; v1(81.857,28.5) 81.857,29.139 80.768,30.228 71.696,30.228 70.696,29.228 ; 18.854,29.228 29.222,29.228 ; 29.222,29.228 39.591,29.228 ; 39.591,29.228 49.888,29.228 ; 49.888,29.228 60.175,29.228 ; 60.175,29.228 70.696,29.228
C5: D2.6 D3.6 D8.6 D9.6 D16.6 D17.6 D22.6 D23.6 R14.1 U1.P$23 | length 167.7
  Top Layer w0.3: D9.6@92.134,61.022 v1(92.134,62.5) ; D16.6@102.539,61.022 v1(102.539,62.5) ; D17.6@112.945,61.022 v1(112.945,62.5) ; D2.6@123.35,61.022 v1(123.35,62.5)
  Layer 1 w0.3: v1(98.75,39.5) 98.819,39.5 100.069,38.25 107.33,38.25 112.945,32.635 v1(112.945,28.758)
  Layer 2 w0.3: v1(112.945,28.758) 115,30.813 115,53.758 112.945,55.814 v1(112.945,62.5) ; v1(123.35,28.5) 124.05,29.2 124.05,43.959 123.418,44.59 123.418,48.426 123.75,48.758 123.75,62.1 v1(123.35,62.5)
  Bottom Layer w0.3: v1(92.134,28.5) 95.612,28.5 96.312,29.2 100.229,29.2 100.279,29.15 101.889,29.15 ; v1(92.134,62.5) v1(102.539,62.5) v1(112.945,62.5) v1(123.35,62.5) 123.35,63.754 121.575,65.529 121.575,65.853 121.3,66.128 R14.1@121.25,66.128 ; v1(98.75,39.5) 98.827,39.577 98.827,40.752 U1.P$23@98.905,40.83 ; v1(102.539,28.5) 101.889,29.15 ; v1(123.35,28.5) 122.596,29.254 106.746,29.254 105.872,28.38 104.332,28.38 103.562,29.15 101.889,29.15
COM0: D4.14 U2.P$9 | length 32
  Top Layer w0.3: D4.14@6.595,77.822 7.045,77.372 7.045,76.497 7.545,75.997 7.545,74.448 7.544,74.447 v1(7.544,65.712)
  Bottom Layer w0.3: v1(7.544,65.712) 23.946,65.712 25.176,64.482 25.176,63.278 U2.P$9@25.07,63.172
COM1: D5.14 U2.P$8 | length 23.4
  Top Layer w0.3: D5.14@16.963,77.822 17.413,77.372 17.413,76.652 17.958,76.107 v1(17.958,66.601) ; v1(26.34,64.588) v1(26.34,66.601)
  Bottom Layer w0.3: v1(17.958,66.601) v1(26.34,66.601) ; U2.P$8@26.34,63.172 v1(26.34,64.588)
COM2: D10.14 U2.P$5 | length 34.2
  Top Layer w0.3: v1(30.15,64.588) 30.15,67.433 v1(30.207,67.49) ; D10.14@48.068,77.822 48.518,77.372 48.518,76.554 49.2,75.872 v1(49.2,67.49)
  Bottom Layer w0.3: U2.P$5@30.15,63.172 v1(30.15,64.588) v1@30.207,64.645 ; v1(30.207,67.49) v1(49.2,67.49)
COM3: D11.14 U2.P$4 | length 42.7
  Top Layer w0.3: D11.14@58.437,77.822 58.887,77.372 58.887,76.599 59.614,75.872 v1(59.614,66.728)
  Bottom Layer w0.3: U2.P$4@31.42,63.172 v1(31.42,64.588) 31.42,65.712 32.436,66.728 v1(59.614,66.728)
COM4: D6.14 U2.P$7 | length 15.6
  Top Layer w0.3: D6.14@27.332,77.822 26.882,77.372 26.882,76.541 26.34,75.999 26.34,73.967 26.952,73.355 26.952,69.002 27.61,68.344 v1(27.61,64.588)
  Bottom Layer w0.3: U2.P$7@27.61,63.172 v1(27.61,64.588)
COM5: D7.14 U2.P$6 | length 22.7
  Top Layer w0.3: v1(28.88,64.588) 28.972,64.68 v1(28.972,68.43) ; v1(36.4,68.417) 36.4,75.745 37.25,76.595 37.25,77.372 D7.14@37.7,77.822
  Bottom Layer w0.3: U2.P$6@28.88,63.172 v1(28.88,64.588) ; v1(28.972,68.43) 28.985,68.417 v1(36.4,68.417)
COM6: D12.14 U2.P$3 | length 52.6
  Top Layer w0.3: D12.14@68.805,77.822 68.805,77.172 69.255,76.722 69.286,76.722 70.059,75.949 70.059,66.046 70.039,66.026 70.039,65.778 v1(70.105,65.966)
  Bottom Layer w0.3: U2.P$3@32.69,63.172 v1(32.69,64.588) 32.69,65.35 33.306,65.966 v1(70.105,65.966)
COM7: D13.14 D15.1 U2.P$2 | length 64.6
  Top Layer w0.3: D13.14@79.173,77.822 79.623,77.372 79.623,76.641 80.442,75.822 v1(80.442,65.25)
  Bottom Layer w0.3: U2.P$2@33.96,63.172 33.96,64.588 34.048,64.676 34.048,65.074 34.224,65.25 v1(80.442,65.25) 80.386,65.306 78.676,65.306 78.5,65.482 D15.1@78.5,66.54
COM8: D18.14 U3.P$6 | length 22.7
  Top Layer w0.3: v1(28.898,32.066) 28.99,32.157 v1(28.99,35.908) ; v1(36.418,35.895) 36.418,43.223 37.268,44.073 37.268,44.85 D18.14@37.718,45.3
  Bottom Layer w0.3: U3.P$6@28.898,30.65 v1(28.898,32.066) ; v1(28.99,35.908) 29.003,35.895 v1(36.418,35.895)
COM9: D19.14 U3.P$5 | length 34.2
  Top Layer w0.3: v1(30.168,32.066) 30.168,34.911 v1(30.225,34.968) ; D19.14@48.087,45.3 48.537,44.85 48.537,44.031 49.218,43.35 v1(49.218,34.968)
  Bottom Layer w0.3: U3.P$5@30.168,30.65 v1(30.168,32.066) v1@30.225,32.122 ; v1(30.225,34.968) v1(49.218,34.968)
COM10: D24.14 U3.P$8 | length 23.4
  Top Layer w0.3: D24.14@16.982,45.3 17.432,44.85 17.432,44.13 17.976,43.585 v1(17.976,34.079) ; v1(26.358,32.066) v1(26.358,34.079)
  Bottom Layer w0.3: v1(17.976,34.079) v1(26.358,34.079) ; U3.P$8@26.358,30.65 v1(26.358,32.066)
COM11: D25.14 U3.P$7 | length 15.6
  Top Layer w0.3: D25.14@27.35,45.3 26.9,44.85 26.9,44.018 26.358,43.477 26.358,41.445 26.97,40.832 26.97,36.48 27.628,35.822 v1(27.628,32.066)
  Bottom Layer w0.3: U3.P$7@27.628,30.65 v1(27.628,32.066)
COM12: D20.14 D28.1 U3.P$2 | length 64.6
  Top Layer w0.3: D20.14@79.191,45.3 79.641,44.85 79.641,44.119 80.46,43.3 v1(80.46,32.728)
  Bottom Layer w0.3: U3.P$2@33.978,30.65 33.978,32.066 34.067,32.154 34.067,32.552 34.242,32.728 v1(80.46,32.728) 80.404,32.784 78.694,32.784 78.518,32.959 D28.1@78.518,34.018
COM13: D21.14 U3.P$9 | length 32
  Top Layer w0.3: D21.14@6.613,45.3 7.063,44.85 7.063,43.974 7.563,43.474 7.563,41.926 7.562,41.925 v1(7.562,33.19)
  Bottom Layer w0.3: v1(7.562,33.19) 23.964,33.19 25.194,31.96 25.194,30.755 U3.P$9@25.088,30.65
COM14: D26.14 U3.P$4 | length 42.7
  Top Layer w0.3: D26.14@58.455,45.3 58.905,44.85 58.905,44.077 59.632,43.35 v1(59.632,34.206)
  Bottom Layer w0.3: U3.P$4@31.438,30.65 v1(31.438,32.066) 31.438,33.19 32.454,34.206 v1(59.632,34.206)
COM15: D27.14 U3.P$3 | length 52.6
  Top Layer w0.3: D27.14@68.823,45.3 68.823,44.65 69.273,44.2 69.305,44.2 70.078,43.427 70.078,33.524 70.058,33.504 70.058,33.255 v1(70.123,33.444)
  Bottom Layer w0.3: U3.P$3@32.708,30.65 v1(32.708,32.066) 32.708,32.828 33.324,33.444 v1(70.123,33.444)
COM16: D2.14 U1.P$5 | length 76.9
  Layer 2 w0.3: v1(98.539,75.25) 98.539,68.505 96.268,66.235 96.268,53.983 97.25,53.001 97.25,43.601 96.639,42.99 96.639,42.988 95.665,42.014 95.665,39.124 95.667,39.122 95.667,34.029 95.239,33.601 95.239,31.221 95.667,30.793 98.882,30.793 v1(100.175,32.086)
  Bottom Layer w0.3: v1(98.539,75.25) 98.539,75.385 98.675,75.521 98.675,76.574 98.85,76.75 v1(120.75,76.75) v1@120.836,76.664 ; U1.P$5@100.175,30.67 100.175,31.729 v1(100.175,32.086)
COM17: D3.14 U1.P$7 | length 23.5
  Top Layer w0.3: v1(97.635,32.086) 97.635,35.516 100.369,38.25 106.454,38.25 109.045,40.84 109.045,43.388 110.345,44.688 D3.14@110.345,45.3
  Bottom Layer w0.3: U1.P$7@97.635,30.67 97.635,31.729 v1(97.635,32.086)
COM18: D8.14 U1.P$6 | length 33.3
  Top Layer w0.3: v1(98.882,35.773) 98.882,32.109 v1(98.905,32.086) ; v1(118,38.89) 119.45,40.34 119.45,43.45 120.2,44.2 120.3,44.2 120.75,44.65 D8.14@120.75,45.3
  Bottom Layer w0.3: v1(98.882,35.773) 98.873,35.782 98.873,36.074 99.049,36.25 114.75,36.25 117.39,38.89 v1(118,38.89) ; U1.P$6@98.905,30.67 v1(98.905,32.086)
COM19: D9.14 D14.1 U1.P$2 | length 76.1
  Layer 2 w0.3: v1(103.985,32.086) 104.081,32.182 104.437,32.182 106.058,33.803 106.058,47.176 105.25,47.985 v1(105.25,67.464) v1(105.25,78.5)
  Bottom Layer w0.3: v1(89.5,78.75) 94,78.75 94.5,79.25 102.039,79.25 102.789,78.5 v1(105.25,78.5) ; U1.P$2@103.985,30.67 v1(103.985,32.086) ; v1(105.25,67.464) 105.286,67.428 D14.1@115.79,67.428
COM20: D16.14 U1.P$3 | length 50.6
  Layer 2 w0.3: v1(99.939,78.25) 101,77.189 101,48.028 104.739,44.289 104.739,41.444 104.303,41.007 104.303,37.84 102.715,36.252 v1(102.715,32.086) v1@102.715,31.94
  Bottom Layer w0.3: U1.P$3@102.715,30.67 102.715,31.729 v1(102.715,32.086)
COM21: D17.14 U1.P$4 | length 58.2
  Layer 2 w0.3: v1(99.903,68.17) 99.903,65.153 98.747,63.997 98.747,54.503 99.021,54.229 99.021,40.729 99.475,40.275 99.475,39.124 101.445,37.154 v1(101.445,32.086) ; v1(109,68.25) 109,76.528 109.876,77.404 110.215,77.404 v1(110.311,77.5)
  Bottom Layer w0.3: v1(99.903,68.17) 99.983,68.25 v1(109,68.25) ; U1.P$4@101.445,30.67 v1(101.445,32.086)
COM22: D22.14 U1.P$8 | length 16.1
  Top Layer w0.3: v1(96.365,32.086) 96.365,35.326 98.05,37.011 98.05,39.79 98.588,40.328 98.588,43.332 99.455,44.2 99.489,44.2 99.939,44.65 D22.14@99.939,45.3
  Bottom Layer w0.3: U1.P$8@96.365,30.67 v1(96.365,32.086)
COM23: D23.14 U1.P$9 | length 26.3
  Top Layer w0.3: v1(88.745,47.75) 89.534,46.961 D23.14@89.534,45.3
  Layer 2 w0.3: v1(88.135,35.21) 88.135,39.034 88.045,39.124 88.045,40.642 88.745,41.342 v1(88.745,47.75)
  Bottom Layer w0.3: v1(88.135,35.21) 88.755,34.59 94.278,34.59 95.095,33.772 U1.P$9@95.095,30.67
D1: D4.7 D5.7 D6.7 D7.7 D10.7 D11.7 D12.7 D13.7 U2.P$22 | length 109.6
  Top Layer w0.3: v1(27.61,73.967) 27.652,73.925 v1(27.652,69.292) ; v1(35.1,69.25) 35.1,68.727 36.11,67.717 37.7,66.128 v1(37.7,61.022) ; D11.7@58.437,61.022 v1(58.471,60.988) ; v1(68.78,61.022) D12.7@68.805,61.022 ; v1(78.5,62) 78.5,61.865 78.673,61.692 78.673,61.522 D13.7@79.173,61.022
  Bottom Layer w0.3: v1(6.595,61.022) 6.595,60.155 7.25,59.5 18.486,59.5 ; v1(16.963,61.022) 18.486,59.5 ; v1(27.332,61.022) 27.332,60.887 27.555,60.664 27.555,60.644 28.699,59.5 ; v1(27.652,69.292) 28.019,69.292 28.061,69.25 v1(35.1,69.25) ; v1(37.7,61.022) 37.835,61.022 38.048,60.81 38.089,60.81 39.399,59.5 ; v1(48.068,61.022) 49.591,59.5 ; v1(58.471,60.988) 59.947,59.512 59.947,59.5 ; v1(68.78,61.022) 68.81,60.993 68.81,60.45 69.76,59.5 ; v1(78.5,62) 75.262,62 72.762,59.5 69.76,59.5 ; 18.486,59.5 28.699,59.5 ; 28.699,59.5 39.399,59.5 ; 39.399,59.5 49.591,59.5 ; 49.591,59.5 59.947,59.5 ; 59.947,59.5 69.76,59.5
D3: D18.7 D19.7 D20.7 D21.7 D24.7 D25.7 D26.7 D27.7 U3.P$22 | length 109.6
  Top Layer w0.3: v1(27.628,41.445) 27.671,41.402 v1(27.671,36.77) ; v1(35.118,36.728) 35.118,36.205 36.128,35.195 ; 36.129,35.195 37.718,33.606 v1(37.718,28.5) ; D26.7@58.455,28.5 v1(58.489,28.466) ; v1(68.799,28.5) D27.7@68.823,28.5 ; v1(78.518,29.478) 78.518,29.342 78.691,29.169 78.691,29 D20.7@79.191,28.5
  Bottom Layer w0.3: v1(6.613,28.5) 6.613,27.633 7.268,26.978 18.504,26.978 ; v1(16.982,28.5) 18.504,26.978 ; v1(27.35,28.5) 27.35,28.365 27.573,28.141 27.573,28.121 28.717,26.978 ; v1(27.671,36.77) 28.037,36.77 28.08,36.728 v1(35.118,36.728) ; v1(37.718,28.5) 37.854,28.5 38.066,28.287 38.107,28.287 39.417,26.978 ; v1(48.087,28.5) 49.609,26.978 ; v1(58.489,28.466) 59.965,26.99 59.965,26.978 ; v1(68.799,28.5) 68.828,28.47 68.828,27.928 69.778,26.978 ; v1(78.518,29.478) 75.28,29.478 72.78,26.978 69.778,26.978 ; 18.504,26.978 28.717,26.978 ; 28.717,26.978 39.417,26.978 ; 39.417,26.978 49.609,26.978 ; 49.609,26.978 59.965,26.978 ; 59.965,26.978 69.778,26.978
D5: D2.7 D3.7 D8.7 D9.7 D16.7 D17.7 D22.7 D23.7 U1.P$22 | length 138.3
  Top Layer w0.3: v1(89.5,63.5) 89.534,63.466 D9.7@89.534,61.022 ; v1(99.905,63.5) 99.939,63.466 D16.7@99.939,61.022 ; v1(110.311,63.5) 110.345,63.466 D17.7@110.345,61.022 ; v1(120.716,63.5) 120.75,63.466 D2.7@120.75,61.022
  Layer 1 w0.3: v1(97.35,39.5) 97.549,39.5 99.299,37.75 107.193,37.75 110.345,34.599 v1(110.345,28.5)
  Layer 2 w0.3: v1(110.311,63.5) 111.361,62.45 111.361,34.361 110.345,33.345 v1(110.345,28.5)
  Bottom Layer w0.3: v1(89.5,63.5) v1(99.905,63.5) v1(110.311,63.5) v1(120.716,63.5) ; v1(89.534,28.5) 91.241,26.793 101.646,26.793 ; v1(97.35,39.5) 97.35,39.635 97.468,39.753 97.468,40.662 U1.P$22@97.635,40.83 ; v1(99.939,28.5) 101.646,26.793 ; v1(110.345,28.5) 111.572,28.5 113.279,26.793 ; v1(120.75,28.5) 119.043,26.793 113.279,26.793 ; 101.646,26.793 113.279,26.793
D13: D1.1 U4.26 | length 6.8
  Top Layer w0.2: U4.26@85.691,6.5 87.109,6.5 88.934,4.675 D1.1@88.934,1.9
DP1: D4.5 D5.5 D6.5 D7.5 D10.5 D11.5 D12.5 D13.5 U2.P$11 | length 92.7
  Top Layer w0.3: v1(10.395,56.5) D4.5@10.395,58.322 ; v1(20.763,56.5) D5.5@20.763,58.322 20.763,58.793 21.213,59.243 21.213,60.213 22.53,61.53 v1(22.53,62.832) ; v1(31.132,56.5) D6.5@31.132,58.322 ; v1(41.5,56.5) D7.5@41.5,58.322 ; v1(51.868,56.5) D10.5@51.868,58.322 ; v1(62.237,56.5) D11.5@62.237,58.322 ; v1(72.605,56.5) D12.5@72.605,58.322 ; v1(82.973,56.5) D13.5@82.973,58.322
  Bottom Layer w0.3: v1(10.395,56.5) v1(20.763,56.5) v1(31.132,56.5) v1(41.5,56.5) v1(51.868,56.5) v1(62.237,56.5) v1(72.605,56.5) v1(82.973,56.5) ; v1(22.53,62.832) U2.P$11@22.53,63.172
DP3: D18.5 D19.5 D20.5 D21.5 D24.5 D25.5 D26.5 D27.5 U3.P$11 | length 92.7
  Top Layer w0.3: v1(10.413,23.978) D21.5@10.413,25.8 ; v1(20.782,23.978) 20.782,25.8 20.782,26.271 21.232,26.721 21.232,27.691 22.548,29.008 v1(22.548,30.31) ; v1(31.15,23.978) D25.5@31.15,25.8 ; v1(41.518,23.978) D18.5@41.518,25.8 ; v1(51.887,23.978) D19.5@51.887,25.8 ; v1(62.255,23.978) D26.5@62.255,25.8 ; v1(72.623,23.978) D27.5@72.623,25.8 ; v1(82.991,23.978) D20.5@82.991,25.8
  Bottom Layer w0.3: v1(10.413,23.978) v1(20.782,23.978) v1(31.15,23.978) v1(41.518,23.978) v1(51.887,23.978) v1(62.255,23.978) v1(72.623,23.978) v1(82.991,23.978) ; v1(22.548,30.31) U3.P$11@22.548,30.65